# Altium PCB MCU047F_PCB.PcbDoc (part 1 of 3) (continued)
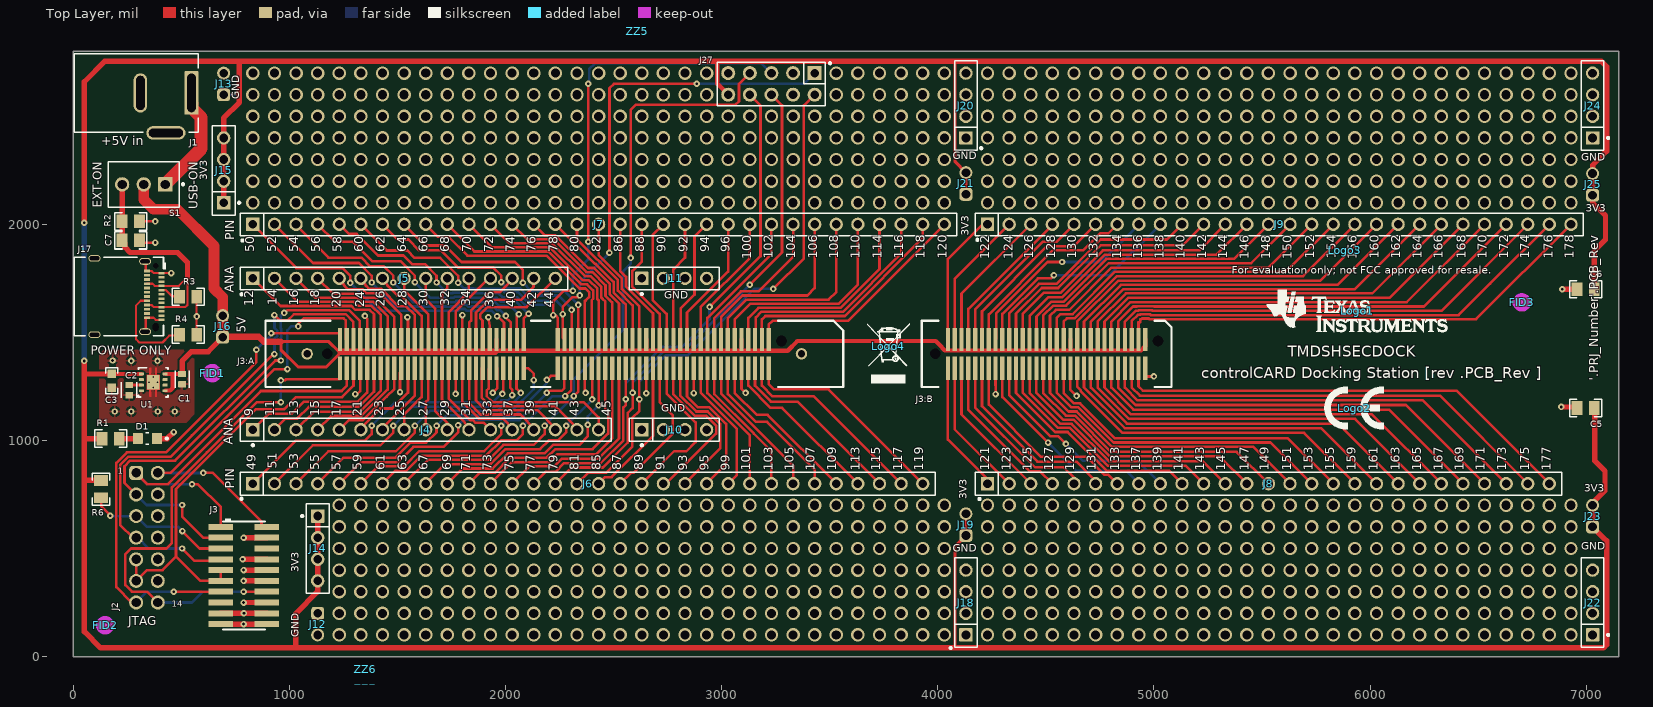
[diagram p0: Top Layer view]
## Footprints (in the part's own frame and the unit in brackets; to place one, negate y for a bottom-side part, rotate by r counter-clockwise, add the part's x,y. Pads: shape width x height; smd on the part's side, far side on the other; paste and mask are expansions set on the pad) (continued)
  rrect6% 1.65x1.65 hole 1.016: 1(-5.08,-1.27)
  round 1.65 hole 1.016: 2(-5.08,1.27) 3(-2.54,-1.27) 4(-2.54,1.27) 5(0,-1.27) 6(0,1.27) 7(2.54,-1.27) 8(2.54,1.27) 9(5.08,-1.27) 10(5.08,1.27)
  silkscreen extent -7,-2.56 6.35,2.54, body extent -6.35,-2.54 6.35,2.54, height 8.38
WEEE_Minimum [mil] "WEEElie bin"
  silkscreen extent -95,-172 99,104
Wurth_61301421121 [mm] "Header, 2.54mm, 7x2, TH"
  rrect50% 1.65x1.65 hole 1.1: 1(-1.27,7.62)
  round 1.65 hole 1.1: 2(1.27,7.62) 3(-1.27,5.08) 4(1.27,5.08) 5(-1.27,2.54) 6(1.27,2.54) 7(-1.27,0) 8(1.27,0) 9(-1.27,-2.54) 10(1.27,-2.54) 11(-1.27,-5.08) 12(1.27,-5.08) 13(-1.27,-7.62) 14(1.27,-7.62)
  body extent -2.54,-8.89 2.54,8.89, height 8.55

## Part data
C1: library part CMP-0092650-1, "1uF ±10% 10V Ceramic Capacitor X5R 0603 (1608 Metric)", Digikey Part Number=399-C0603C105K8PAC7411CT-ND, Manufacturer=KEMET, Mouser Part Number=80-C0603C105K8PLR, Operating Temperature Range="-55°C to +85°C", TempCo=15%, Temperature Characteristic=X5R, Tolerance_%=10%, ValueDisplayed=1uF, AEC Qualified=No, Cap_F=1µF, ComponentLink1Description=Datasheet, ComponentLink1URL=https://content.kemet.com/datasheets/KEM_C1006_X5R_SMD.pdf, datasheet=https://content.kemet.com/datasheets/KEM_C1006_X5R_SMD.pdf, Datasheet Path=datasheets/Cap-C0603C105K8PAC7411.pdf, Digikey Description="CAP CER 1UF 10V X5R 0603", helpURL=https://upverter.com/upn/revision/5d383732cde16e16/, Lead Free=Yes, Mouser Description="Cap Ceramic 1uF 10V X5R 10% SMD 0603 85°C Paper T/R", PackageReference=0603, Part Number=C0603C105K8PAC7411, PartNumber=C0603C105K8PAC7411, RoHS=TRUE, SizeZ_mm=0.9mm, Supplier 1=Digikey, Supplier 2=Mouser, Supplier Part Number 1=399-C0603C105K8PAC7411CT-ND, Supplier Part Number 2=80-C0603C105K8PLR, VDC_V=10V
C2: library part CMP-0091957-1, "10000pF ±10% 6.3V Ceramic Capacitor X7R 0603 (1608 Metric)", Digikey Part Number=399-8988-1-ND, Manufacturer=Kemet, Mouser Part Number=80-C0603C103K9R, Operating Temperature Range="-55°C to +125°C", Temperature Characteristic=X7R, Tolerance_%=10%, ValueDisplayed=0.01uF, AEC Qualified=No, Cap_F=10nF, ComponentLink1Description=Datasheet, ComponentLink1URL=https://content.kemet.com/datasheets/KEM_C1002_X7R_SMD.pdf, datasheet=https://content.kemet.com/datasheets/KEM_C1002_X7R_SMD.pdf, Datasheet Path=datasheets/Cap-C0603C103K9RACTU.pdf, Digikey Description="CAP CER 10000PF 6.3V X7R 0603", helpURL=https://upverter.com/upn/revision/0cbf15b84dd4e6ff/, Lead Free=Yes, Mouser Description="Multilayer Ceramic Capacitors MLCC - SMD/SMT 6.3volts 10000pF X7R 10%", PackageReference=0603, Part Number=C0603C103K9RACTU, PartNumber=C0603C103K9RACTU, RoHS=TRUE, SizeZ_mm=0.87mm, Supplier 1=Digikey, Supplier 2=Mouser, Supplier Part Number 1=399-8988-1-ND, Supplier Part Number 2=80-C0603C103K9R, VDC_V=6.3V
C3: library part CMP-0007504-5, "CAP, CERM, 2.2 uF, 6.3 V, +/- 10%, X5R, 0603", Cap_Case=0603, Manufacturer="Taiyo Yuden", Supplier Part Number 1=587-3386-1-ND, TempCo=X5R, Tolerance_%=10%, Value1=Unknown, Value2=6.3V, ValueDisplayed=2.2uF, AEC Category=Q200, AEC Qualified=?, Cap_F=2.2µF, ComponentLink1Description="Datasheet link", ComponentLink1URL=http://www.yuden.co.jp/productdata/catalog/en/mlcc101_e.pdf, CompType=Capacitor, LatestRevisionDate=2017-03-09, MountType=SMT, PackageReference=0603, PartNumber=JMK107BJ225KAHT, Polarized=N, Published=2008-06-19, Publisher="Texas Instruments", RoHS=Y, SizeArea_mm2=1.28, SizeAreaWB_mm2=4.68, SizeX_mm=1.6, SizeY_mm=0.8, SizeZ_mm=1, Supplier 1=Digi-Key, Supplier 2=Mouser, Supplier Part Number 2=963-JMK107BJ225KAHT, TaMax_C=85°C, TaMin_C=-55°C, Technology=Ceramic, U/M=EA, VDC_V=6.3V
C5 C6: library part CMP-0007675-2, "CAP, CERM, 0.47 uF, 16 V, +/- 10%, X7R, 0805", Cap_Case=0805, Manufacturer=AVX, Supplier Part Number 1=478-1403-1-ND, TempCo=X7R, Tolerance_%=10%, Value1="0.011 ohm", Value2=16V, ValueDisplayed=0.47uF, AEC Category=Q200, AEC Grade=N/A, AEC Qualified=N, Cap_F=470nF, ComponentLink1Description="Datasheet link", ComponentLink1URL=http://datasheets.avx.com/X7RDielectric.pdf, CompType=Capacitor, ESR_ohm=11m, LatestRevisionDate=2017-03-09, MountType=SMT, PackageReference=0805, PartNumber=0805YC474KAT2A, Polarized=N, Published=2008-06-19, Publisher="Texas Instruments", RoHS=Y, SizeArea_mm2=2.5, SizeAreaWB_mm2=6.75, SizeX_mm=2, SizeY_mm=1.25, SizeZ_mm=1.45, Supplier 1=Digi-Key, Supplier 2=Newark, Supplier 3=Mouser, Supplier Part Number 2=96K4765, Supplier Part Number 3=581-080516C474K, TaMax_C=125°C, TaMin_C=-55°C, Technology=Ceramic, U/M=EA, VDC_V=16V
C7: library part CMP-0007785-2, "CAP, CERM, 3300 pF, 50 V, +/- 10%, X7R, 0805", Cap_Case=0805, Manufacturer=Kemet, Supplier Part Number 1=399-1153-1-ND, TempCo=X7R, Tolerance_%=10%, Value1="0.332 ohm", Value2=50V, ValueDisplayed=3300pF, AEC Category=Q200, AEC Qualified=?, Cap_F=3.3nF, ComponentLink1Description="Datasheet link", ComponentLink1URL=http://www.kemet.com/kemet/web/homepage/kechome.nsf/file/Partial%20Copy%20-%20Ceramic%20Surface%20Mount%20Capacitors/$file/F3102_CE.pdf, CompType=Capacitor, ESR_ohm=0.332, IRMS_A=319mA, LatestRevisionDate=2017-03-09, MountType=SMT, PackageReference=0805, PartNumber=C0805C332K5RACTU, Polarized=N, Published=2008-06-19, Publisher="Texas Instruments", RoHS=Y, SizeArea_mm2=2.5, SizeAreaWB_mm2=6.75, SizeX_mm=2, SizeY_mm=1.25, SizeZ_mm=1.45, Supplier 1=Digi-Key, Supplier 2=Newark, Supplier 3=Mouser, Supplier Part Number 2=64K2930, Supplier Part Number 3=80-C0805C332K5R, TaMax_C=125°C, TaMin_C=-55°C, Technology=Ceramic, U/M=EA, VDC_V=50V
D1: library part CMP-0091781-1, "Green 567nm LED Indication - Discrete 2.1V 0805 (2012 Metric)", Color=Green, Digikey Part Number=404-1021-1-ND, Forward Current=20mA, Manufacturer="Stanley Electric Co", Mouser Part Number=327-PG1112HTR, Operating Temperature Range="-30°C to +85°C", Power_TotalModule=70mW, AEC Qualified=No, Angle=160°, ComponentLink1Description=Datasheet, ComponentLink1URL=https://media.digikey.com/pdf/Data%20Sheets/Stanley%20Electric%20PDFs/BR1112H.pdf, datasheet=https://media.digikey.com/pdf/Data%20Sheets/Stanley%20Electric%20PDFs/BR1112H.pdf, Datasheet Path=datasheets/Diode-PG1112H-TR.pdf, Digikey Description="LED GREEN DIFFUSED 2125 SMD", helpURL=https://upverter.com/upn/revision/9b6f839920567d23/, LambdaD=567nm, LambdaP=560nm, Lead Free=yes, Led Orientation="Top View", Luminous Intensity=6.4mcd, PackageReference=0805, Part Number=PG1112H-TR, PartNumber=PG1112H-TR, RoHS=TRUE, SizeZ_mm=0.9mm, Standoff Height=0mm, Vf_V=2.1V, Vr_V=4V
FID1 FID2 FID3: library part CMP-0077181-1, "Fiducial mark.  There is nothing to buy or mount.", Manufacturer=N/A, ClassName=FiducialMark, CompType=Fiducial, MountType=N/A, PackageReference=N/A, PartNumber=N/A
H1 H2 H3 H4: library part CMP-0003620-1, "Bumpon, Hemisphere, 0.44 X 0.20, Clear", Manufacturer=3M, Supplier Part Number 1=SJ5303-7-ND, ComponentLink1Description="Datasheet Link", ComponentLink1URL=http://multimedia.mmm.com/mws/mediawebserver.dyn?6666660Zjcf6lVs6EVs666cIsCOrrrrQ-, CompType=Bumpon, Key="SJ-5303 (CLEAR)", LatestRevisionDate=2017-03-09, MountType=N/A, PackageReference="Transparent Bumpon", PartNumber="SJ-5303 (CLEAR)", Publisher="Texas Instruments", RoHS=Y, Supplier 1=Digi-Key, Supplier 2=Newark, Supplier 3=Mouser, Supplier Part Number 2=23M7326, Supplier Part Number 3=517-SJ-5303CL
J1: library part CMP-0091947-1, Current_A=5A, Digikey Part Number=CP-002BH-ND, Manufacturer="CUI Devices", Mouser Part Number=490-PJ-002BH, Operating Temperature Range="-25°C to +85°C", Voltage_V=24V, AEC Qualified=No, ComponentLink1Description=Datasheet, ComponentLink1URL=https://www.cuidevices.com/product/resource/pj-002bh.pdf, Conn Gender=Male, Conn Orientation="Right Angle", ContactFinish=Nickel, datasheet=https://www.cuidevices.com/product/resource/pj-002bh.pdf, Datasheet Path=datasheets/Conn-PJ-002BH.pdf, Digikey Description="CONN PWR JACK 2.5X5.5MM SOLDER", helpURL=https://upverter.com/upn/revision/c0ec03f34a1cebd9/, Lead Free=Yes, Mouser Description="2.5 x 6.5 mm, 5.0 A, Horizontal, Through Hole, Dc Power Jack Connector", PackageReference=PTH_POWER_CONN_14MM4_9MM0, Part Number=PJ-002BH, PartNumber=PJ-002BH, PinCount=1, RoHS=TRUE, SizeZ_mm=11.2mm, Supplier 1=Digikey, Supplier 2=Mouser, Supplier Part Number 1=CP-002BH-ND, Supplier Part Number 2=490-PJ-002BH
J2: library part CMP-0086014-1, "Header, 2.54mm, 7x2, Gold, TH", Color=Black, Current_A=3A, Manufacturer="Wurth Elektronik", Voltage_V=250V, Cert_UL=Y, ClassName=Header, ComponentLink1Description="Datasheet URL", ComponentLink1URL=https://katalog.we-online.de/em/datasheet/6130xx21121.pdf, CompType=Header, ContactFinish=Gold, Gender=Male, MountType=TH, Orientation=Vertical, PackageReference="Header, 2.54mm, 7x2, TH", PartNumber=61301421121, PinCount=14, Pitch_mm=2.54, RoHS=Y, Row_Count=2, RowSpacing_mm=2.54, Shrouded=N
J3: library part CMP-0075640-2, "Header, 1.27mm, 10x2, Tin, SMT", Color=Black, Current_A=3.1A, Manufacturer=Samtec, Supplier Part Number 1=SAM8792-ND, Cert_UL=Y, ClassName=Header, ComponentLink1Description="Datasheet URL", ComponentLink1URL=http://suddendocs.samtec.com/prints/ftr-1xx-xx-xx-d-xx-xx-mkt.pdf, CompType=Header, ContactFinish=Tin, Gender=Male, Green_EU RoHS=Passed, Green_EU RoHS-2=Passed, Green_Lifecycle=Active, Green_REACh=Passed, MountType=SMT, Orientation=Vertical, PackageReference="Header, 1.27mm, 10x2, SMT", PartNumber=FTR-110-51-S-D-06, PinCount=20, Pitch_mm=1.27, RoHS=Y, Row_Count=2, RowSpacing_mm=2.54, Shrouded=N, Supplier 1=Digi-Key, Supplier 2=Newark, Supplier Part Number 2=44W8888
J3:A: library part CMP-0003814-2, "C2000 controlCARD-120HSEC connector, SMT", Manufacturer=Samtec, ComponentLink1Description="Datasheet Link", ComponentLink1URL=http://www.samtec.com/ftppub/pdf/hsec8_dv.pdf, CompType=Connector, MountType=SMT, Note="The pin numbering does not match Samtec datasheet", PackageReference="C2000 pin numbering", PartNumber=HSEC8-160-01-L-DV-A-BL, RoHS=Y
J3:B: library part CMP-0003859-2, "C2000 controlCARD-180HSEC (60-pin addon) connector, SMT", Manufacturer=Samtec, ComponentLink1Description="Datasheet Link", ComponentLink1URL=http://suddendocs.samtec.com/prints/hsec8-1xxx-xx-xx-dv-x-xx-mkt.pdf, CompType=Connector, MountType=SMT, Note="The pin numbering does not match Samtec datasheet", PackageReference="C2000 pin numbering", PartNumber=HSEC8-130-01-L-DV-A, RoHS=Y
J4: library part CMP-0091787-1, "Conn Unshrouded Header HDR 17 POS 2.54mm Solder ST Thru-Hole", Digikey Part Number=SAM1075-17-ND, Manufacturer=Samtec, Mouser Part Number=200-TSW11723TS, Operating Temperature Range="-55°C to +105°C", AEC Qualified=No, ComponentLink1Description=Datasheet, ComponentLink1URL=http://suddendocs.samtec.com/catalog_english/tsw_th.pdf, Conn Gender=Male, Conn Orientation=Straight, ContactFinish=Tin,Nickel, datasheet=http://suddendocs.samtec.com/catalog_english/tsw_th.pdf, Datasheet Path=datasheets/Conn-TSW-117-23-T-S.pdf, Digikey Description="CONN HEADER VERT 17POS 2.54MM", DUT-Pitch_mm=2.54mm, helpURL=https://upverter.com/upn/revision/a7d34796f159d8d7/, Lead Free=Yes, PackageReference=HDR17, Part Number=TSW-117-23-T-S, PartNumber=TSW-117-23-T-S, PinCount=17, RoHS=TRUE, Row_Count=1, SizeZ_mm=8.71mm, Supplier 1=Digikey, Supplier 2=Mouser, Supplier Part Number 1=SAM1075-17-ND, Supplier Part Number 2=200-TSW11723TS
J5: library part CMP-0091786-1, "Conn Unshrouded Header HDR 15 POS 2.54mm Solder ST Thru-Hole", Digikey Part Number=SAM1075-15-ND, Manufacturer=Samtec, Mouser Part Number=200-TSW11523TS, Operating Temperature Range="-55°C to +105°C", AEC Qualified=No, ComponentLink1Description=Datasheet, ComponentLink1URL=http://suddendocs.samtec.com/catalog_english/tsw_th.pdf, Conn Gender=Male, Conn Orientation=Straight, ContactFinish=Tin,Nickel, datasheet=http://suddendocs.samtec.com/catalog_english/tsw_th.pdf, Datasheet Path=datasheets/Conn-TSW-115-23-T-S.pdf, Digikey Description="CONN HEADER VERT 15POS 2.54MM", DUT-Pitch_mm=2.54mm, helpURL=https://upverter.com/upn/revision/69377db6c5ae2c57/, Lead Free=Yes, PackageReference=HDR15, Part Number=TSW-115-23-T-S, PartNumber=TSW-115-23-T-S, PinCount=15, RoHS=TRUE, Row_Count=1, SizeZ_mm=8.71mm, Supplier 1=Digikey, Supplier 2=Mouser, Supplier Part Number 1=SAM1075-15-ND, Supplier Part Number 2=200-TSW11523TS
J6: library part CMP-0091815-1, Current_A=5.7A, Digikey Part Number=SAM1075-32-ND, Manufacturer=Samtec, Mouser Part Number=200-TSW13223TS, Operating Temperature Range="-55°C to +105°C", Voltage_V=550V, AEC Qualified=No, ComponentLink1Description=Datasheet, ComponentLink1URL=https://eeconcierge.com/eda/parts/edit/angeldiazmacias/20e822509aaa7eaf/, Conn Gender=Male, Conn Orientation=Straight, ContactFinish=Tin,Nickel, datasheet=https://eeconcierge.com/eda/parts/edit/angeldiazmacias/20e822509aaa7eaf/, Datasheet Path=datasheets/Conn-TSW-132-23-T-S.pdf, Digikey Description="CONN HEADER VERT 32POS 2.54MM", DUT-Pitch_mm=2.54mm, helpURL=https://upverter.com/upn/revision/598ca0fb0397edfc/, Lead Free=Yes, PackageReference=HDR32, Part Number=TSW-132-23-T-S, PartNumber=TSW-132-23-T-S, PinCount=32, RoHS=TRUE, Row_Count=1, SizeZ_mm=8.71mm, Supplier 1=Digikey, Supplier 2=Mouser, Supplier Part Number 1=SAM1075-32-ND, Supplier Part Number 2=200-TSW13223TS
J7: library part CMP-0091789-1, "Conn Unshrouded Header HDR 33 POS 2.54mm Solder ST Thru-Hole", Digikey Part Number=SAM1075-33-ND, Manufacturer=Samtec, Octopart Part Number=26cbefc533f0f90c, Operating Temperature Range="-55°C to +105°C", AEC Qualified=No, Category 75Fab8F04590Ae3D="Connectors and Adapters", Category 0836C53C3D42D3F1=Connectors, Category A3C16Ecb93907806=Uncategorized, Category Bda670Ac885E6661=Uncategorized, Category E7012A0Bd22E3Cc6="Headers & Receptacles", ComponentLink1Description=Datasheet, ComponentLink1URL=http://suddendocs.samtec.com/catalog_english/tsw_th.pdf, Conn Gender=Male, Conn Orientation=Straight, ContactFinish=Tin,Nickel, datasheet=http://suddendocs.samtec.com/catalog_english/tsw_th.pdf, Datasheet Path=datasheets/Conn-TSW-133-23-T-S.pdf, Digikey Description="CONN HEADER VERT 33POS 2.54MM", DUT-Pitch_mm=2.54mm, helpURL=https://upverter.com/upn/revision/bac319cef8ced9c1/, Lead Free=Yes, PackageReference=HDR33, Part Number=TSW-133-23-T-S, PartNumber=TSW-133-23-T-S, PinCount=33, RoHS=TRUE, Row_Count=1, SizeZ_mm=8.71mm, Supplier 1=Digikey, Supplier Part Number 1=SAM1075-33-ND
J8: library part CMP-0091814-1, Current_A=5.7A, Digikey Part Number=SAM1075-27-ND, Manufacturer=Samtec, Operating Temperature Range="-55°C to +105°C", Voltage_V=550V, AEC Qualified=No, ComponentLink1Description=Datasheet, ComponentLink1URL=http://suddendocs.samtec.com/catalog_english/tsw_th.pdf, Conn Gender=Male, Conn Orientation=Straight, ContactFinish=Tin,Nickel, datasheet=http://suddendocs.samtec.com/catalog_english/tsw_th.pdf, Datasheet Path=datasheets/Conn-TSW-127-23-T-S.pdf, Digikey Description="CONN HEADER VERT 27POS 2.54MM", DUT-Pitch_mm=2.54mm, helpURL=https://upverter.com/upn/revision/86296b7f5c0e7200/, Lead Free=Yes, PackageReference=HDR27, Part Number=TSW-127-23-T-S, PartNumber=TSW-127-23-T-S, PinCount=27, RoHS=TRUE, Row_Count=1, SizeZ_mm=8.71mm, Supplier 1=Digikey, Supplier Part Number 1=SAM1075-27-ND
J9: library part CMP-0091788-1, "Conn Unshrouded Header HDR 28 POS 2.54mm Solder ST Thru-Hole", Digikey Part Number=SAM1075-28-ND, Manufacturer=Samtec, Octopart Part Number=6986a0887cb8b641, Operating Temperature Range="-55°C to +105°C", AEC Qualified=No, Category 75Fab8F04590Ae3D="Connectors and Adapters", Category 0836C53C3D42D3F1=Connectors, Category A3C16Ecb93907806=Uncategorized, Category Bda670Ac885E6661=Uncategorized, Category E7012A0Bd22E3Cc6="Headers & Receptacles", ComponentLink1Description=Datasheet, ComponentLink1URL=http://suddendocs.samtec.com/catalog_english/tsw_th.pdf, Conn Gender=Male, Conn Orientation=Straight, ContactFinish=Tin,Nickel, datasheet=http://suddendocs.samtec.com/catalog_english/tsw_th.pdf, Datasheet Path=datasheets/Conn-TSW-128-23-T-S.pdf, Digikey Description="CONN HEADER VERT 28POS 2.54MM", DUT-Pitch_mm=2.54mm, helpURL=https://upverter.com/upn/revision/3586a12066b83dd2/, Lead Free=Yes, PackageReference=HDR28, Part Number=TSW-128-23-T-S, PartNumber=TSW-128-23-T-S, PinCount=28, RoHS=TRUE, Row_Count=1, SizeZ_mm=8.71mm, Supplier 1=Digikey, Supplier Part Number 1=SAM1075-28-ND
J10 J11 J14 J15 J18 J20 J22 J24: library part CMP-0091785-1, "Conn Unshrouded Header HDR 4 POS 2.54mm Solder ST Thru-Hole", Digikey Part Number=SAM1075-04-ND, Manufacturer=Samtec, Mouser Part Number=200-TSW10423TS, Octopart Part Number=ef462648fa603081, Operating Temperature Range="-55°C to +105°C", AEC Qualified=No, Category 75Fab8F04590Ae3D="Connectors and Adapters", Category 0836C53C3D42D3F1=Connectors, Category A3C16Ecb93907806=Uncategorized, Category Bda670Ac885E6661=Uncategorized, Category E7012A0Bd22E3Cc6="Headers & Receptacles", ComponentLink1Description=Datasheet, ComponentLink1URL=http://suddendocs.samtec.com/catalog_english/tsw_th.pdf, Conn Gender=Male, Conn Orientation=Straight, ContactFinish=Tin,Nickel, datasheet=http://suddendocs.samtec.com/catalog_english/tsw_th.pdf, Datasheet Path=datasheets/Conn-TSW-104-23-T-S.pdf, Digikey Description="CONN HEADER VERT 4POS 2.54MM", DUT-Pitch_mm=2.54mm, helpURL=https://upverter.com/upn/revision/81ae117a183ec43c/, Lead Free=Yes, PackageReference=HDR4, Part Number=TSW-104-23-T-S, PartNumber=TSW-104-23-T-S, PinCount=4, RoHS=TRUE, Row_Count=1, SizeZ_mm=8.71mm, Supplier 1=Digikey, Supplier 2=Mouser, Supplier Part Number 1=SAM1075-04-ND, Supplier Part Number 2=200-TSW10423TS
J12 J13 J16 J19 J21 J23 J25: library part CMP-0084558-1, "Header, 2.54mm, 2x1, Tin, TH", Color=Black, Current_A=6.3A, Manufacturer=Samtec, Voltage_V=550V, Cert_UL=Y, ClassName=Header, ComponentLink1Description="Datasheet URL", ComponentLink1URL=http://suddendocs.samtec.com/catalog_english/tsw_th.pdf, CompType=Header, ContactFinish=Tin, Gender=Male, MountType=TH, Orientation=Vertical, PackageReference="Header, 2.54mm, 2x1, TH", PartNumber=TSW-102-23-T-S, PinCount=2, Pitch_mm=2.54, RoHS=Y, Row_Count=1, Shrouded=N
J17: library part CMP-0075218-1, "Receptacle, 0.5mm, USB TYPE C, R/A, SMT", Color=Black, Current_A=5A, Manufacturer="Amphenol Canada", Supplier Part Number 1=12401610E4#2ACT-ND, Cert_UL=Y, CNHeader=False, ComponentLink1Description="Datasheet URL", ComponentLink1URL="https://sps06.itg.ti.com/sites/KMS/crossdivteams/altium/docs/ComponentDatasheets/amphenol_USB Type C Cut Sheet_11.10.15-779978.pdf", CompType=USB, ContactFinish=Tin, CT=True, Gender=Female, Green_EU RoHS=Incomplete, Green_EU RoHS-2=Incomplete, Green_Lifecycle="Not Set", Green_REACh=Incomplete, LatestRevisionDate=2017-07-12, MountType=SMT, Orientation=R/A, PackageReference="Receptacle, 0.5mm, USB TYPE C, R/A, SMT", PartNumber=12401610E4#2A, PinCount=24, Pitch_mm=0.5, Publisher="Texas Instruments", RoHS=Y, Row_Count=2, Supplier 1=Digi-Key, Supplier 2=Mouser, Supplier Part Number 2=523-12401610E4#2A
J27: library part CMP-0075410-2, "Header, 100mil, 5x2, Gold, TH", Color=Black, Current_A=6.3A, Manufacturer=Samtec, Supplier Part Number 1=SAM1028-05-ND, Voltage_V=550V, Cert_CSA=Y, Cert_CULUS=N, Cert_UL=Y, Cert_VDE=N, ClassName=Header, ComponentLink1Description="Datasheet URL", ComponentLink1URL=http://samtec.com/ftppub/pdf/TSW_TH.PDF, CompType=Header, ContactFinish=Gold, Gender=Male, Green_EU RoHS=Passed, Green_EU RoHS-2=Passed, Green_Lifecycle=Active, Green_REACh=Passed, MountType=TH, Orientation=Vertical, PackageReference="5x2 Header", PartNumber=TSW-105-07-G-D, PinCount=10, Pitch_mm=2.54, RoHS=Y, Row_Count=2, RowSpacing_mm=2.54, Shrouded=N, Supplier 1=Digi-Key, System=Connector
Logo1: library part CMP-0074838-1, "Texas Instrument Corporate Signature", ClassName=Logo, LatestRevisionDate=2017-07-06, Lib Reference=TI_Logo, PartNumber="Texas Instruments", Published=2009-03-03, Publisher="Texas Instruments", SymbolCreator=a0412235, SymbolVersion=2011-08-22
Logo2: library part CMP-0074844-1, LatestRevisionDate=2017-07-06, Lib Reference="CE Mark", PartNumber="CE Mark", Published=2009-03-03, Publisher="Texas Instruments", SymbolCreator=a0412235
Logo3: library part CMP-0074847-1, "FCC_disclaimer", LatestRevisionDate=2017-07-06, Lib Reference=FCC_disclaimer, PartNumber="FCC disclaimer", Published=2009-03-03, Publisher="Texas Instruments"
Logo4: library part CMP-0074769-1, Lib Reference="WEEE logo", PartNumber="WEEE logo"
R1: library part CMP-0020731-3, "RES, 470, 5%, 0.125 W, AEC-Q200 Grade 0, 0805", Manufacturer=Panasonic, Power_W=125mW, Supplier Part Number 1=P470ACT-ND, TempCo="200 ppm/C", Tolerance_%=5%, Value2=0.125W, Value_Code=470R, ValueDisplayed=470, AEC Category=Q200, AEC Grade=0, AEC Qualified=Y, ComponentLink1Description="Datasheet link", ComponentLink1URL=https://industrial.panasonic.com/cdbs/www-data/pdf/RDA0000/AOA0000C301.pdf, CompType=Resistor, EIA_Code=E24, MountType=SMT, PackageReference=0805, PartNumber=ERJ-6GEYJ471V, Res_ohm=470, RoHS=Y, SizeArea_mm2=2.5, SizeAreaWB_mm2=6.75, SizeX_mm=2, SizeY_mm=1.25, SizeZ_mm=1.45, Supplier 1=Digi-Key, Supplier 2=Mouser, Supplier 3=Farnell, Supplier Part Number 2=667-ERJ-6GEYJ471V, Supplier Part Number 3=2057693, Technology="Thick Film", Value1=5%, VDC_V=150V
R2: library part CMP-0020623-3, "RES, 1.0 M, 5%, 0.125 W, AEC-Q200 Grade 0, 0805", Manufacturer=Panasonic, Power_W=125mW, Supplier Part Number 1=P1.0MACT-ND, TempCo="150 ppm/C", Tolerance_%=5%, Value2=0.125W, Value_Code=1M00, ValueDisplayed=1.0M, AEC Category=Q200, AEC Grade=0, AEC Qualified=Y, ComponentLink1Description="Datasheet link", ComponentLink1URL=https://industrial.panasonic.com/cdbs/www-data/pdf/RDA0000/AOA0000C301.pdf, CompType=Resistor, EIA_Code=E24, MountType=SMT, PackageReference=0805, PartNumber=ERJ-6GEYJ105V, Res_ohm=1M, RoHS=Y, SizeArea_mm2=2.5, SizeAreaWB_mm2=6.75, SizeX_mm=2, SizeY_mm=1.25, SizeZ_mm=1.45, Supplier 1=Digi-Key, Supplier 2=Mouser, Supplier 3=Farnell, Supplier Part Number 2=667-ERJ-6GEYJ105V, Supplier Part Number 3=2057738, Technology="Thick Film", Value1=5%, VDC_V=150V
R3 R4: library part CMP-0020740-3, "RES, 5.1 k, 5%, 0.125 W, AEC-Q200 Grade 0, 0805", Manufacturer=Panasonic, Power_W=125mW, Supplier Part Number 1=P5.1KACT-ND, TempCo="200 ppm/C", Tolerance_%=5%, Value2=0.125W, Value_Code=5k10, ValueDisplayed=5.1k, AEC Category=Q200, AEC Grade=0, AEC Qualified=Y, ComponentLink1Description="Datasheet link", ComponentLink1URL=https://industrial.panasonic.com/cdbs/www-data/pdf/RDA0000/AOA0000C301.pdf, CompType=Resistor, EIA_Code=E24, MountType=SMT, PackageReference=0805, PartNumber=ERJ-6GEYJ512V, Res_ohm=5.1k, RoHS=Y, SizeArea_mm2=2.5, SizeAreaWB_mm2=6.75, SizeX_mm=2, SizeY_mm=1.25, SizeZ_mm=1.45, Supplier 1=Digi-Key, Supplier 2=Mouser, Supplier 3=Farnell, Supplier Part Number 2=667-ERJ-6GEYJ512V, Supplier Part Number 3=2057715, Technology="Thick Film", Value1=5%, VDC_V=150V
R6: library part CMP-0020618-3, "RES, 100, 5%, 0.125 W, AEC-Q200 Grade 0, 0805", Manufacturer=Panasonic, Power_W=125mW, Supplier Part Number 1=P100ACT-ND, TempCo="200 ppm/C", Tolerance_%=5%, Value2=0.125W, Value_Code=100R, ValueDisplayed=100, AEC Category=Q200, AEC Grade=0, AEC Qualified=Y, ComponentLink1Description="Datasheet link", ComponentLink1URL=https://industrial.panasonic.com/cdbs/www-data/pdf/RDA0000/AOA0000C301.pdf, CompType=Resistor, EIA_Code=E24, MountType=SMT, PackageReference=0805, PartNumber=ERJ-6GEYJ101V, Res_ohm=100, RoHS=Y, SizeArea_mm2=2.5, SizeAreaWB_mm2=6.75, SizeX_mm=2, SizeY_mm=1.25, SizeZ_mm=1.45, Supplier 1=Digi-Key, Supplier 2=Mouser, Supplier 3=Farnell, Supplier Part Number 2=667-ERJ-6GEYJ101V, Supplier Part Number 3=2057681, Technology="Thick Film", Value1=5%, VDC_V=150V
S1: library part CMP-0091791-1, "Toggle Switch SPDT Through Hole  3A 120V", Contact Current Rating=3A, Digikey Part Number=EG5771-ND, Manufacturer=E-Switch, Mouser Part Number=612-200AWMSP1T1A1M2Q, Operating Temperature Range="-30°C to +85°C", AEC Qualified=No, Circuit=SPDT, ComponentLink1Description=Datasheet, ComponentLink1URL=http://spec_sheets.e-switch.com/specs/T201104.pdf, datasheet=http://spec_sheets.e-switch.com/specs/T201104.pdf, Datasheet Path=datasheets/Switch-200AWMSP1T1A1M2QE.pdf, Digikey Description="SWITCH TOGGLE SPDT 3A 120V", Electromechanical Life=50000Cycles, helpURL=https://upverter.com/upn/revision/92c416902171e46d/, Lead Free=Yes, MountType="Through Hole", Mouser Description="ESWCH 200AWMSP1T1A1M2QE Switches > Toggle > SubMiniature Toggle > Sealed", PackageReference=PTH_SW_8MM13_5MM08, Part Number=200AWMSP1T1A1M2QE, PartNumber=200AWMSP1T1A1M2QE, RoHS=TRUE, SizeZ_mm=24.2mm, Supplier 1=Digikey, Supplier 2=Mouser, Supplier Part Number 1=EG5771-ND, Supplier Part Number 2=612-200AWMSP1T1A1M2Q, VDC_V=28V
U1: library part CMP-0036329-3, "500mA, Adjustable, Low Quiescent Current, Low-Noise, High-PSRR, Single-Output LDO Regulator, DRB0008A (VSON-8)", Manufacturer="Texas Instruments", Operating Temperature Range="-40 to 125 C", Rating=Catalog, Accuracy(%)=2, AEC Category=Q200, AEC Qualified=N, ComponentLink1Description="Datasheet Link", ComponentLink1URL=http://www.ti.com/lit/ds/symlink/tps735.pdf, ComponentLink2Description="Product Folder", ComponentLink2URL=http://www.ti.com/product/tps735, ComponentLink3Description="Online Datasheet", ComponentLink3URL=http://www.ti.com/product/tps735/datasheet, CompType=IC, Fixed Output Options(V)=3.3, Iout(Max)(A)=0.5, Iq(Typ)(mA)=0.04, MountType=SMT, PackageDescription=VSON-8, PackageReference=DRB0008A, PartNumber=TPS73533DRBT, RoHS=Y, SizeArea_mm2=9.0, SizeAreaWB_mm2=16.0, SizeX_mm=3.0, SizeY_mm=3.0, SizeZ_mm=1.0, Vdo(Typ)(mV)=280, Vin(Max)(V)=6.5, Vin(Min)(V)=2.7, Vout Adj(Max)(V)=3.3, Vout Adj(Min)(V)=3.3
ZZ2: library part CMP-0077236-1, ClassName=AssemblyNote, CompType=AssemblyNote, Key=AssemblyNote, LatestRevisionDate=2017-08-10, Publisher="Texas Instruments"
ZZ3: library part CMP-0077237-1, ClassName=AssemblyNote, CompType=AssemblyNote, Key=AssemblyNote, LatestRevisionDate=2017-08-10, Publisher="Texas Instruments"
ZZ4 ZZ5: library part CMP-0077238-1, ClassName=AssemblyNote, CompType=AssemblyNote, Key=AssemblyNote, LatestRevisionDate=2017-08-10, Publisher="Texas Instruments"
ZZ6 ZZ7: library part CMP-0077238-1, "Clip off KEY pin 2 of J2 connector header", ClassName=AssemblyNote, CompType=AssemblyNote, Key=AssemblyNote, LatestRevisionDate=2017-08-10, Publisher="Texas Instruments"

## Via types
v1: diameter 62, hole 42, Top Layer to Bottom Layer, 816 vias
v2: diameter 30, hole 13, Top Layer to Bottom Layer, 109 vias
v3: diameter 19.68, hole 7.87, Top Layer to Bottom Layer, 4 vias

## Nets (pads, with @x,y where several pads share a name; then routed paths per layer and width w, separated by ;. In a path a pad name is that pad's centre, name@x,y a point inside that pad or via, vN(x,y) a via of type N, cw(c..) or ccw(c..) an arc to the next point about the centre after c; other vN are vias at no path point)
+3V3: C3.2 C5.1 C6.1 J14.1 J14.2 J14.3 J14.4 J15.1 J15.2 J15.3 J15.4 J19.1 J19.2 J21.1 J21.2 J23.1 J23.2 J25.1 J25.2 J27.10 R1.2 R6.1 U1.1 | length 22192.2
  Top Layer w15: 4080,40 4080,510.24 J19.1@4130,560.24 J19.2@4130,660.24 ; 4080,2755 4080,2289.3 J21.2@4130,2239.3 J21.1@4130,2139.3
  Top Layer w20: C3.2@177.17,1307.59 U1.1@313.93,1307.59 ; 2980,2755 2979.65,2754.65 2979.65,2650.35 J27.10@3030,2600
  Top Layer w25: v2(50,1368.11) 50,1309.06 ; v2(50,2007.09) 50,2660 145,2755 767.72,2755 ; R6.1@127.3,815.24 51.4,815.24 50,816.63 ; R1.2@132.17,1008.74 50,1008.74 ; C3.2@177.17,1307.59 51.46,1307.59 50,1309.06 ; J15.1@695,2100 J15.2@695,2200 J15.3@695,2300 J15.4@695,2400 695,2491.35 767.72,2564.07 767.72,2755 ; J14.1@1130,650 J14.2@1130,550 J14.3@1130,450 J14.4@1130,350 1130,300 1029,199 1029,40 ; J23.2@7030,700 J23.1@7030,600 7095,535 7095,55 7080,40 4080,40 1029,40 ; J23.2@7030,710.24 7087.48,767.72 7087.48,858.5 7040.47,905.51 C5.1@7040.47,1147.03 ; C6.1@7037.5,1700 7037.5,1876.95 7089.76,1929.21 7089.76,2040.24 7030,2100 J25.1@7030,2135.04 J25.2@7030,2235.04 7030,2273.62 7095,2338.62 7095,2730 7070,2755 4080,2755 2980,2755 767.72,2755 ; 50,816.63 50,1008.74 ; 50,816.63 50,115 125,40 1029,40 ; 50,1008.74 50,1309.06
  Bottom Layer w25: v2(50,1368.11) v2(50,2007.09)
+5V: C1.2 J3:A.48 J3:A.84 J3:A.98 J3:A.112 J3:B.158 J3:B.180 J16.1 J16.2 S1.2 U1.5 U1.8 | length 6638.6
  Top Layer w15: 1239.97,1410 1228.78,1410 ; 1228.78,1410 1181.28,1457.5 960,1457.5 960,1420 1040,1340 1169.97,1340 1228.78,1398.81 1228.78,1410
  Top Layer w20: U1.5@424.17,1230.82 447.53,1230.82 459.25,1242.53 459.25,1303.57 463.27,1307.59 ; U1.8@424.17,1307.59 463.27,1307.59 ; C1.2@502.37,1307.59 463.27,1307.59 ; J3:A.48@1957.41,1467.86 1957.41,1415 J3:A.84@2650,1415 ; J3:A.84@2650.32,1467.86 J3:A.84@2650,1415 ; J3:A.98@2870.8,1467.86 2870,1467.86 2870,1416 3091,1416 3091,1467.86 J3:A.112@3091.27,1467.86 ; J3:B.158@4613.63,1467.86 4614,1467.86 J3:B.158@4614,1416 ; J3:B.180@4960.09,1467.86 4960,1467.77 4960,1436 4940,1416 J3:B.158@4614,1416 ; J3:A.84@2650,1415 3305,1415 3350,1460 3990,1460 4005,1445 4032,1416 J3:B.158@4614,1416
  Top Layer w25: C1.2@502.37,1307.59 502.37,1367.37 545.8,1410.8 623.68,1410.8 J16.1@690.5,1477.63
  Top Layer w30: J16.1@690.5,1480 857.5,1480 880,1457.5 960,1457.5 ; 1239.97,1410 1952.41,1410 J3:A.48@1957.41,1415
  Top Layer w50: S1.2@325,2185 325,2115 370,2070 480,2070 650,1900 650,1703.01 690.5,1662.5 J16.2@690.5,1577.63 690.5,1480 J16.1@690.5,1477.63
+USB_5V: C7.1 J17.A4 J17.A9 J17.B4 J17.B9 R2.2 S1.3 | length 1216.4
  Top Layer w10: J17.B4@339.65,1626.81 361.14,1626.81 370.98,1616.97 J17.A9@406.57,1616.97 517.61,1616.97 527.45,1626.81 527.45,1754.07 526.76,1754.76 487.39,1715.39 J17.A4@406.57,1715.39 375.58,1715.39 365.74,1725.24 J17.B9@339.65,1725.24
  Top Layer w25: S1.3@225,2185 R2.2@225,2013.87 225,1926.12 C7.1@225.12,1926 237.62,1913.5 237.62,1894.7 262.4,1869.92 481.67,1869.92 527.45,1824.14 527.45,1754.07
EMU0: J2.13 J3.13 J3:A.2 | length 2471.8
  Top Layer w12: J2.13@290,250 269.01,250 198.22,320.79 198.22,896.01 246.66,944.45 427.45,944.45 846.46,1363.46 v2(846.46,1420) ; v2(464,300) J3.13@682.01,300 ; v2(915.35,1496.06) J3:A.2@1233,1496.06 ; J3:A.2@1233,1467.86 J3:A.2@1233,1510
  Bottom Layer w12: J2.13@290,250 340,300 v2(464,300) ; v2(846.46,1420) 915.35,1488.9 v2(915.35,1496.06)
EMU1: J2.14 J3.14 J3:A.1 | length 2441.2
  Top Layer w12: J2.14@390,250 340,300 270,300 240,330 240,474 266,500 430,500 455.37,525.37 455.37,782.63 617.19,944.45 849.75,1177 v2(960,1177) ; v2(787.4,300) J3.14@895,300 ; v2(960,1277.91) 977.91,1277.91 984,1284 1233,1284 J3:A.1@1233,1334
  Bottom Layer w12: J2.14@390,250 548.43,250 598.43,300 v2(787.4,300) ; v2(960,1177) v2(960,1277.91)
FSIRX_CLK_MCU: J3:A.60 J7.6 J27.1 | length 3395.1
  Top Layer w12: J7.6@1330,2000 1450,1880 1450,1879 1544.99,1879 1578.99,1845 1697.23,1845 1780,1762.23 v2(1780,1730) ; J3:A.60@2270,1470.23 2264.1,1476.13 2264.1,1477.55 2263.78,1477.87 v2(2263.78,1584.64) 2263.78,1617.79 2309.39,1663.4 2335.06,1663.4 v2(2342.52,1670.86) ; v2(2480.32,1868.43) 2480.32,2630.32 2500.35,2650.35 v2(2883.86,2650.35)
  Bottom Layer w12: v2(1780,1730) 1806.75,1703.25 1850.88,1703.25 1852.12,1702 1978.06,1702 1994.06,1686 2057.36,1686 2097.11,1646.25 2235.32,1646.25 2263.78,1617.79 v2(2263.78,1584.64) ; v2@2342.52,1666.42 v2(2342.52,1670.86) 2342.52,1730.64 v2(2480.32,1868.43) ; v2(2883.86,2650.35) 3380.35,2650.35 J27.1@3430,2700